# Altium PCB main.PcbDoc (part 1 of 3) (continued)
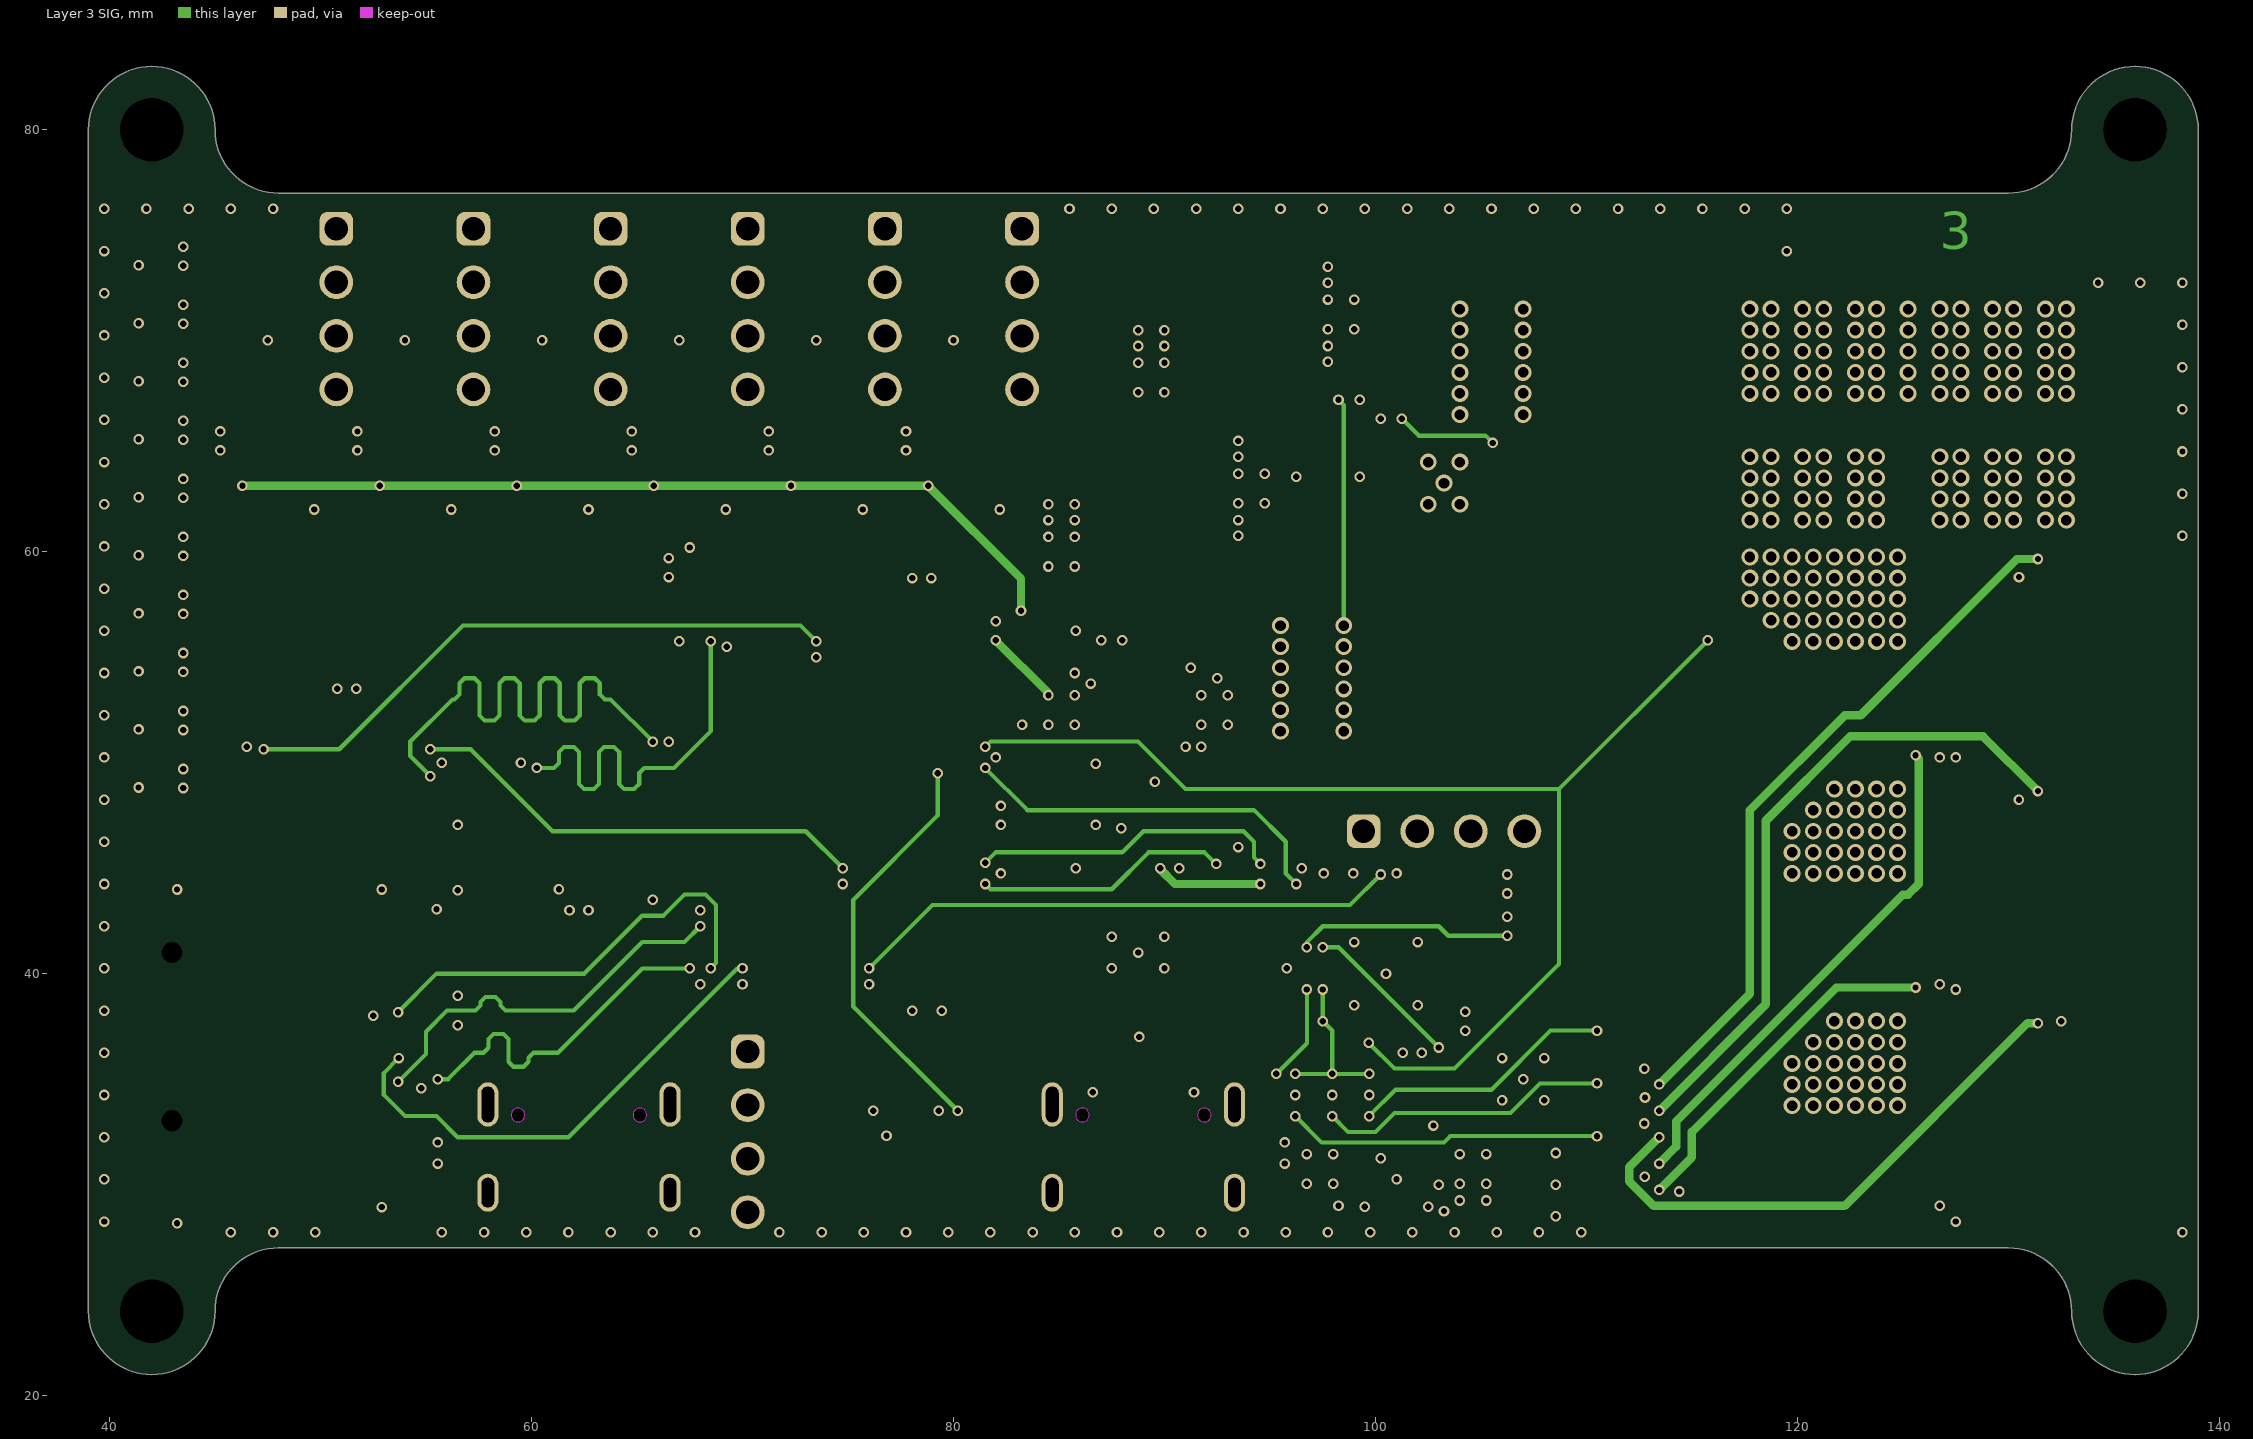
[diagram p3: Layer 3 SIG]
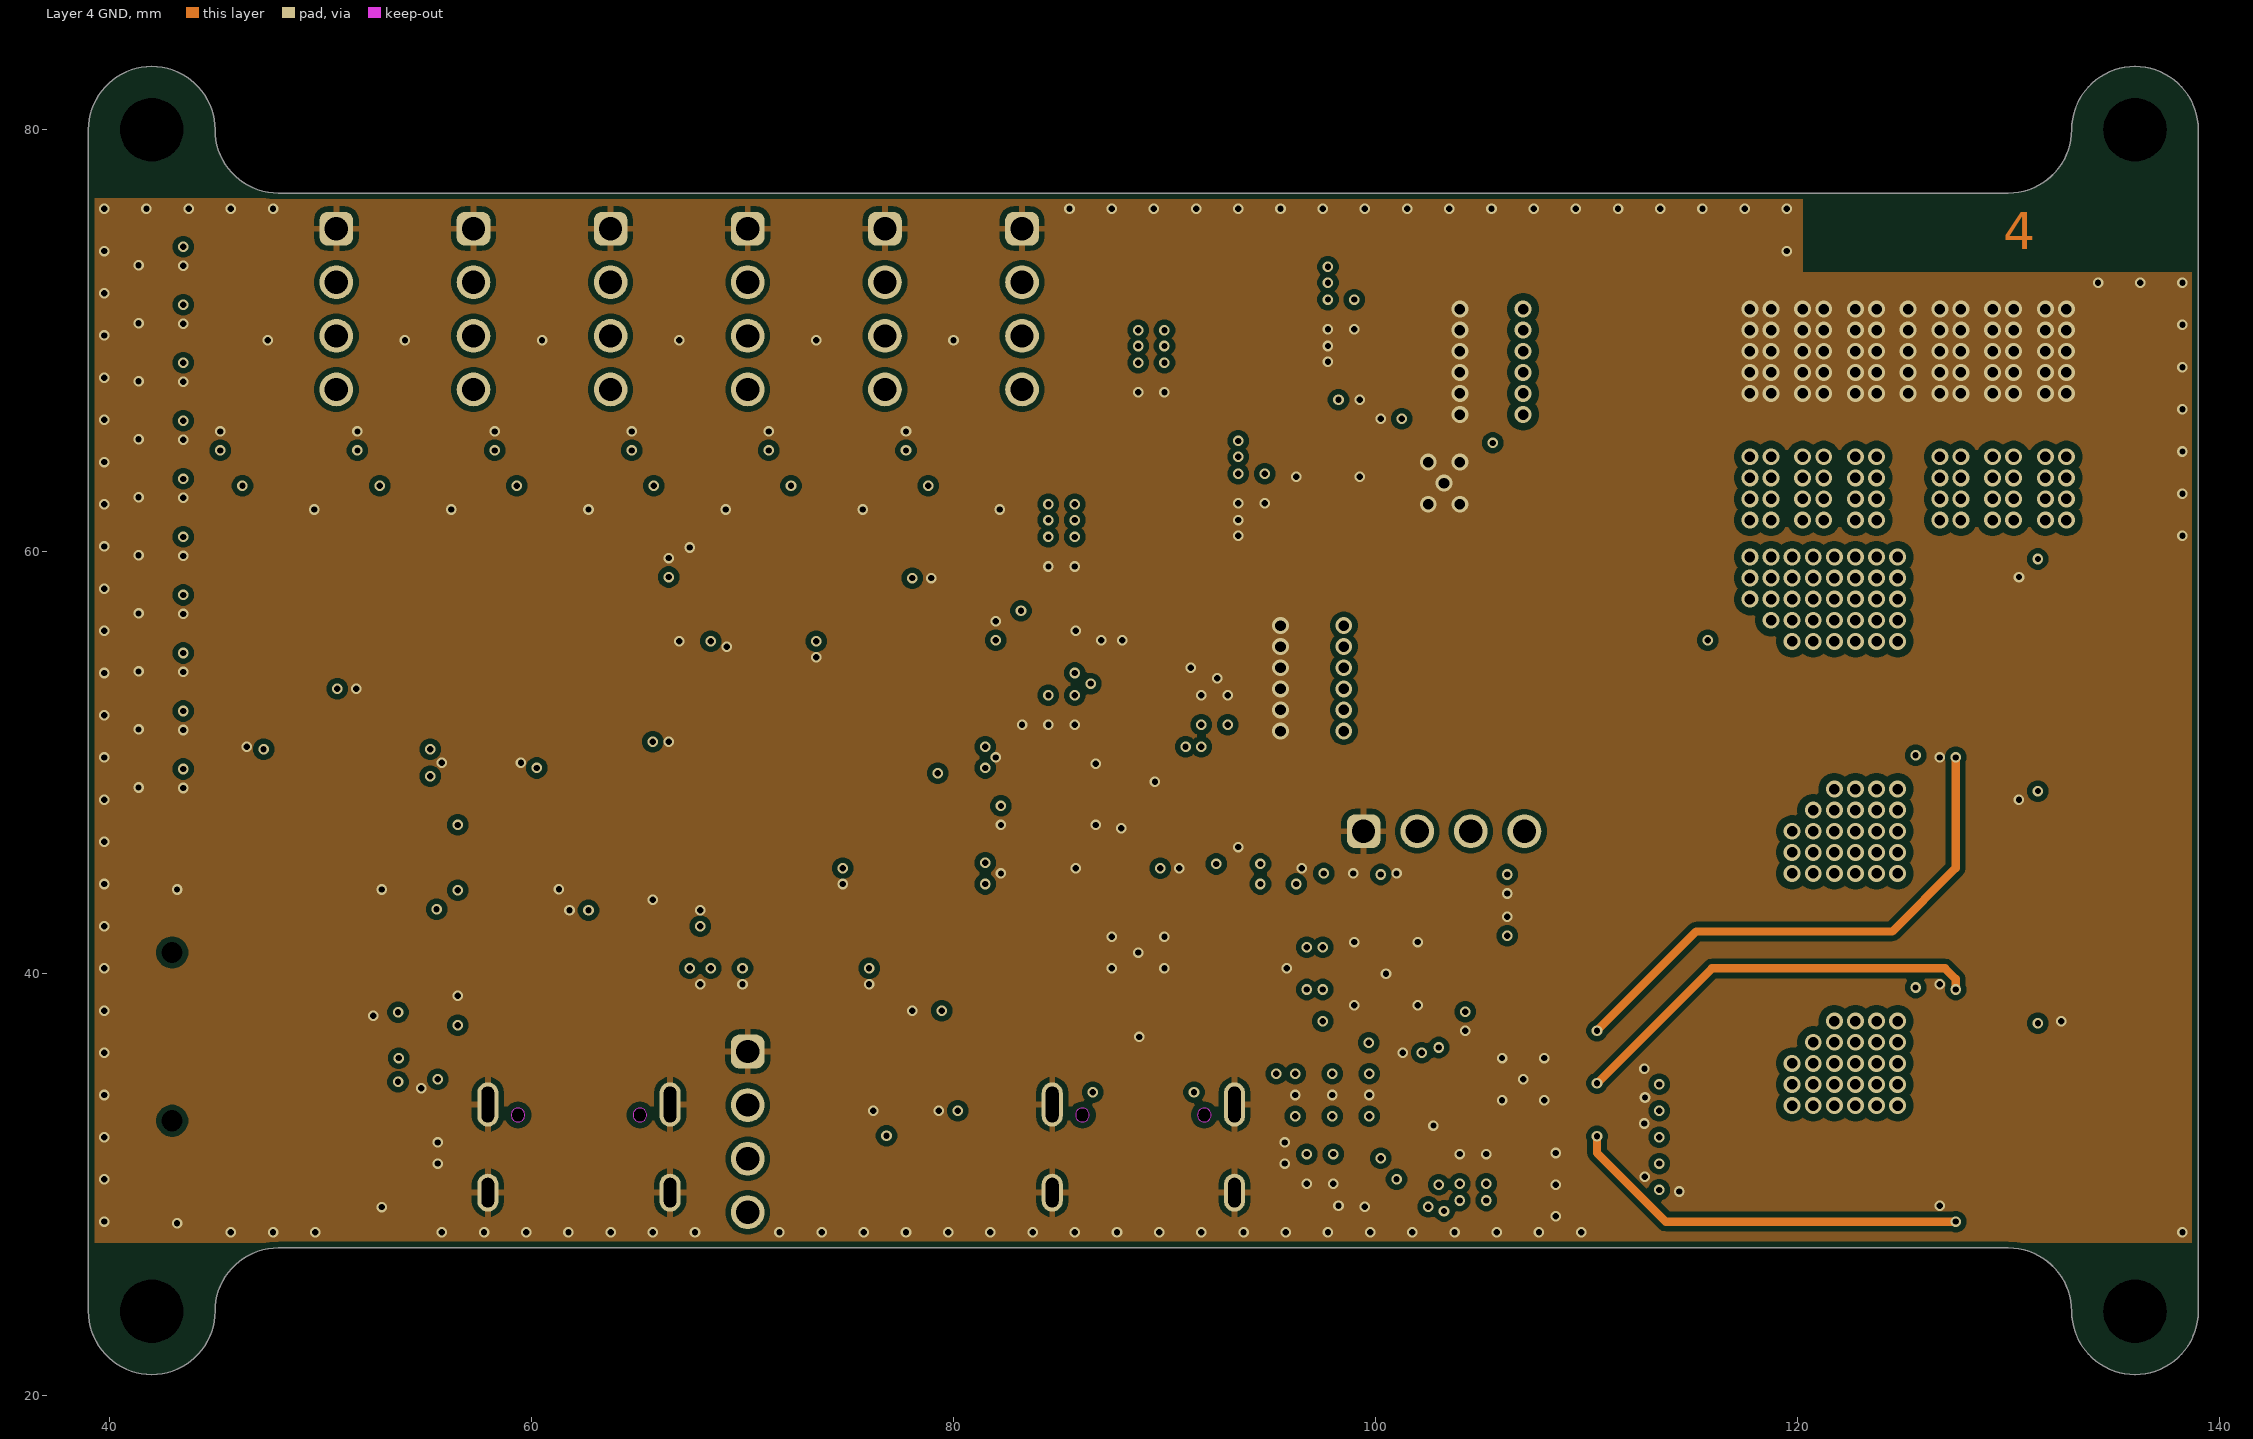
[diagram p4: Layer 4 GND]
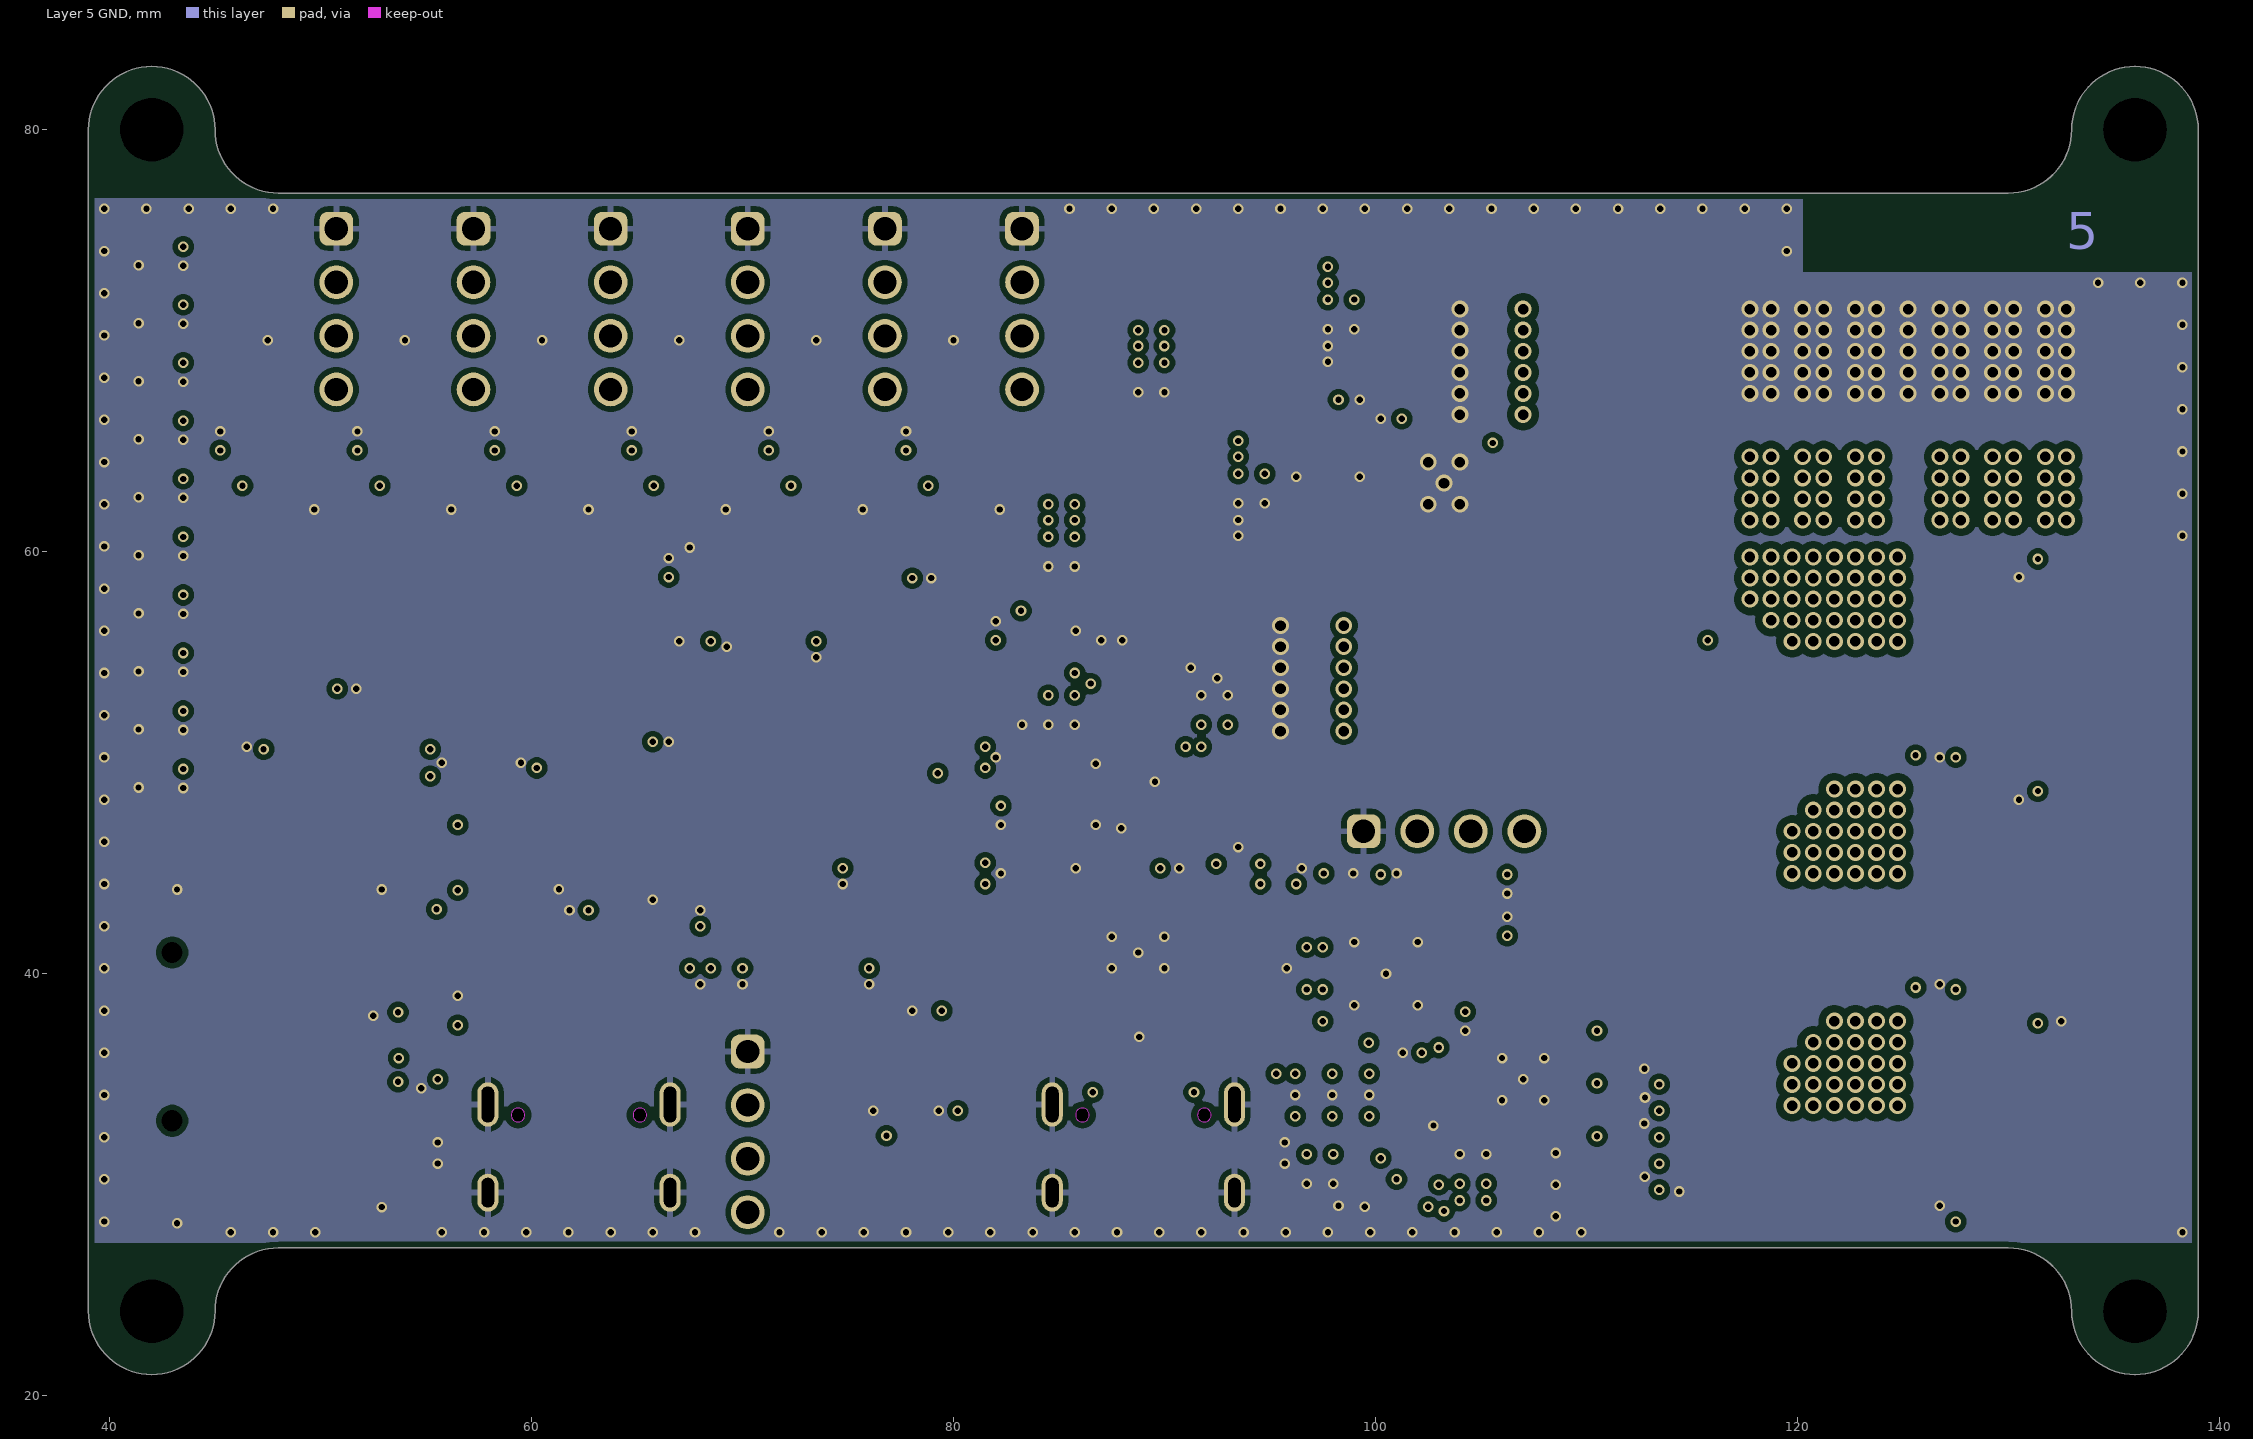
[diagram p5: Layer 5 GND]
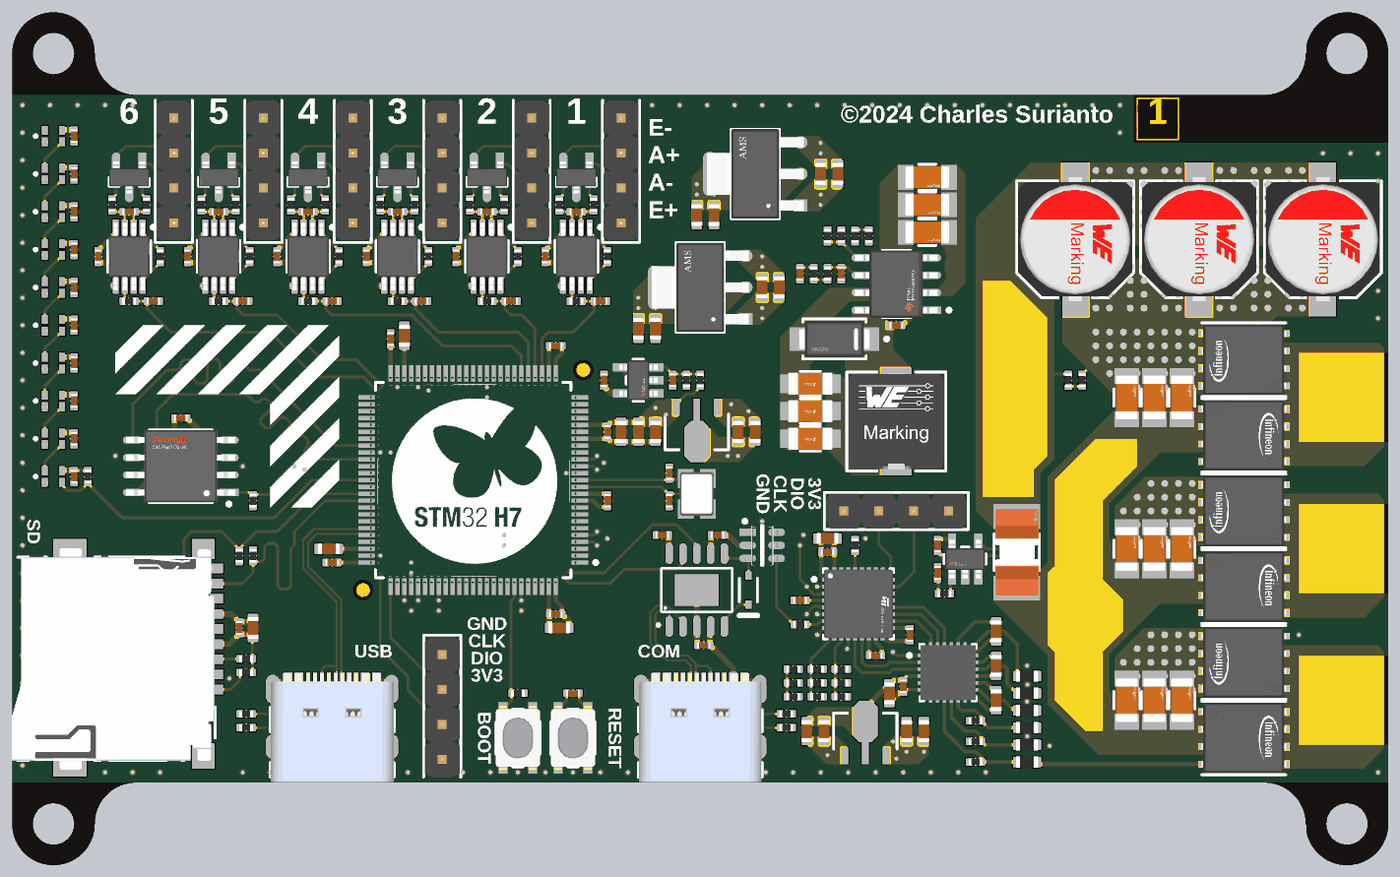
[diagram p8: 3D render of the assembled board from above, using the file's embedded part models]

## Layer stack, top to bottom
Top Solder: solder mask 0.0102, Solder Resist, Dk 3.5
Layer 1 SIG: signal copper 0.035
Prepreg 1: prepreg 0.0994, PP-006, Dk 4.1
Layer 2 GND: signal copper 0.0175
Core 1: prepreg 0.55, PP-006, Dk 4.6
Layer 3 SIG: signal copper 0.0175
Prepreg 2: dielectric 0.1088, FR-4, Dk 4.16
Layer 4 GND: signal copper 0.0175
Core 2: prepreg 0.55, PP-006, Dk 4.6
Layer 5 GND: signal copper 0.0175
Prepreg 3: prepreg 0.0994, PP-006, Dk 4.1
Layer 6 PWR: signal copper 0.035
Bottom Solder: solder mask 0.0102, Solder Resist, Dk 3.5

## Board outline
39,24 ccw(c42,24) 42,21 ccw(c42,24) 45,24 cw(c48,24) 48,27 130,27 cw(c130,24) 133,24 ccw(c136,24) 136,21 ccw(c136,24) 139,24 139,80 ccw(c136,80) 136,83 ccw(c136,80) 133,80 cw(c130,80) 130,77 48,77 cw(c48,80) 45,80 ccw(c42,80) 42,83 ccw(c42,80) 39,80

## Design rules (kind name [scope] priority, off if disabled: settings)
BoardOutlineClearance SolderOutlineClearance [OnLayer('Top Solder', 'Bottom Solder')] p1: gap=0 ignorepadtopadclearanceinfootprint=FALSE
BoardOutlineClearance [All] p2: gap=0.3 ignorepadtopadclearanceinfootprint=FALSE
Clearance "Power Clearance" [InNet('+BATT')] p1: gap=0.35 ignorepadtopadclearanceinfootprint=TRUE except(0.3: SMDPad-Via)
Clearance [All] p2: gap=0.25 ignorepadtopadclearanceinfootprint=TRUE except(0.2: Arc-Arc Arc-Track Arc-SMDPad Arc-Via Track-Track Track-SMDPad Track-Via SMDPad-Via SMDPad-Fill SMDPad-Poly SMDPad-Region Via-Via)
DiffPairsRouting [InDifferentialPair('USB_D', 'MCU_UART_D')] p1: maxlimit=1 minlimit=0.2 mostfreqgap=0.2 toplayer_maxgap=0.2 toplayer_minwidth=0.158 toplayer_maxwidth=0.158 toplayer_prefwidth=0.158 bottomlayer_maxgap=0.2 bottomlayer_minwidth=0.158 bottomlayer_maxwidth=0.158 bottomlayer_prefwidth=0.158 impedanceprofiledriven=TRUE impedanceprofileid={6195F3A3-7A5B-4C1B-A4A9-BEE0D7EF5481} impedanceprofilevalue=90.000000 maxuncoupledlength=12.7
HoleSize [All] p1: absolutevalues=TRUE maxlimit=5 minlimit=0.25 maxpercent=80.000 minpercent=20.000
MinimumSolderMaskSliver [All] p1: minsoldermaskwidth=0.05
PolygonConnect "Direct Mask PolygonConnect" [InComponent('P*', 'J*')] p1: connectstyle=Relief reliefconductorwidth=0.3 reliefentries=4 polygonreliefangle="90 Angle" airgapwidth=0.25
PolygonConnect "Direct PolygonConnect" [InNet('+BATT', 'VGND', 'GND', 'MOT_A', 'MOT_B', 'MOT_C', '+3.3 ESC', '+9 BUCK', 'BUCK_PH', '+3.3 D', '+5', '+3.3 A')] p2: connectstyle=Direct reliefconductorwidth=0.254 reliefentries=4 polygonreliefangle="90 Angle" airgapwidth=0.254
PolygonConnect [All] p3: connectstyle=Relief reliefconductorwidth=0.254 reliefentries=4 polygonreliefangle="90 Angle" airgapwidth=0.254
RoutingVias [All] p1: holewidth=0.3 width=0.6 viastyle="Through Hole" minholewidth=0.3 minwidth=0.5 maxholewidth=1 maxwidth=2
SilkToSilkClearance [All] p1: silktosilkclearance=0
SilkToSolderMaskClearance [IsPad] p1: minsilkscreentomaskgap=0.1 clearancetoexposedcopper=TRUE
SolderMaskExpansion [All] p1: expansion=0.102 istentingtop=FALSE
SupplyNets "Schematic Supply Nets_7" [InNet('+1.65 REF')] p1: voltage=0.000
SupplyNets "Schematic Supply Nets_8" [InNet('+5 USB')] p2: voltage=0.000
SupplyNets "Schematic Supply Nets" [InNet('+5')] p3: voltage=0.000
SupplyNets "Schematic Supply Nets_6" [InNet('+9 BUCK')] p4: voltage=0.000
SupplyNets "Schematic Supply Nets_4" [InNet('+3.3 A')] p5: voltage=0.000
SupplyNets "Schematic Supply Nets_3" [InNet('+3.3 D')] p6: voltage=0.000
SupplyNets "Schematic Supply Nets_5" [InNet('+3.3 ESC')] p7: voltage=0.000
SupplyNets "Schematic Supply Nets_2" [InNet('GND')] p8: voltage=0.000
SupplyNets "Schematic Supply Nets_1" [InNet('+BATT')] p9: voltage=0.000
Width [All] p1: maxlimit=1 minlimit=0.2 preferedwidth=0.2 minimp=50.000000 maximp=50.000000 favimp=50.000000
25 further rules are at their usual default settings.

## Classes and differential pairs
channel class "6 cell amplifier": Amplifiers1 Amplifiers2 Amplifiers3 Amplifiers4 Amplifiers5 Amplifiers6
net class CELL[1..6]: AMP_OUT_Amplifiers1 AMP_OUT_Amplifiers2 AMP_OUT_Amplifiers3 AMP_OUT_Amplifiers4 AMP_OUT_Amplifiers5 AMP_OUT_Amplifiers6
component class Amplifiers6: C601_Amplifiers6 C602_Amplifiers6 C603_Amplifiers6 D601_Amplifiers6 P601_Amplifiers6 R601_Amplifiers6 R602_Amplifiers6 R603_Amplifiers6 R604_Amplifiers6 U601_Amplifiers6
component class Amplifiers5: C601_Amplifiers5 C602_Amplifiers5 C603_Amplifiers5 D601_Amplifiers5 P601_Amplifiers5 R601_Amplifiers5 R602_Amplifiers5 R603_Amplifiers5 R604_Amplifiers5 U601_Amplifiers5
component class Amplifiers4: C601_Amplifiers4 C602_Amplifiers4 C603_Amplifiers4 D601_Amplifiers4 P601_Amplifiers4 R601_Amplifiers4 R602_Amplifiers4 R603_Amplifiers4 R604_Amplifiers4 U601_Amplifiers4
component class Amplifiers3: C601_Amplifiers3 C602_Amplifiers3 C603_Amplifiers3 D601_Amplifiers3 P601_Amplifiers3 R601_Amplifiers3 R602_Amplifiers3 R603_Amplifiers3 R604_Amplifiers3 U601_Amplifiers3
component class Amplifiers2: C601_Amplifiers2 C602_Amplifiers2 C603_Amplifiers2 D601_Amplifiers2 P601_Amplifiers2 R601_Amplifiers2 R602_Amplifiers2 R603_Amplifiers2 R604_Amplifiers2 U601_Amplifiers2
component class Amplifiers1: C601_Amplifiers1 C602_Amplifiers1 C603_Amplifiers1 D601_Amplifiers1 P601_Amplifiers1 R601_Amplifiers1 R602_Amplifiers1 R603_Amplifiers1 R604_Amplifiers1 U601_Amplifiers1
component class LED: C501 C502 C503 C504 C505 C506 C507 C508 C509 C510 R501 U501 U502 U503 U504 U505 U506 U507 U508 U509 U510
net class QSPI_IO[0..3]: QSPI_IO0 QSPI_IO1 QSPI_IO2 QSPI_IO3
net class SD_DAT[0..3]: SD_DAT0 SD_DAT1 SD_DAT2 SD_DAT3
component class Memory: C401 C402 C403 MICRO_SD401 R401 R402 R403 R404 R405 U401
component class Ports: C301 C302 C303 D301 J301 J302 R301 R302 R303 R304 U301
component class Power: C101 C102 C103 C104 C105 C106 C107 C108 C109 C110 C111 C112 C113 C114 C115 C116 C117 C118 C119 C120 C121 C122 C123 C124 C125 C126 C127 D101 L101 R101 R102 R103 R104 R105 R106 R107 R108 U101 U102 U103 U104 U105 U106
component class MCU: C201 C202 C203 C204 C205 C206 C207 C208 C209 C210 C211 C212 C213 P201 R201 SW201 SW202 U201 Y201
component class ESC: C701 C702 C703 C704 C705 C706 C707 C708 C709 C710 C711 C712 C713 C714 C715 C716 C717 C718 C719 C720 C721 C722 C723 C724 P701 Q701 Q702 Q703 Q704 Q705 Q706 R701 R702 R703 R704 R705 R706 R707 R708 R709 R710 R711 R712 R713 R714 R715 R716 R717 R718 R719 R720 R721 R722 R723 R724 U701 U702 U703 U704
differential pair USB_D: +USB_D_P -USB_D_N
differential pair MCU_UART_D: +MCU_UART_D_P -MCU_UART_D_N
